# KiCad board PDNode_Baseboard.kicad_pcb (continued)
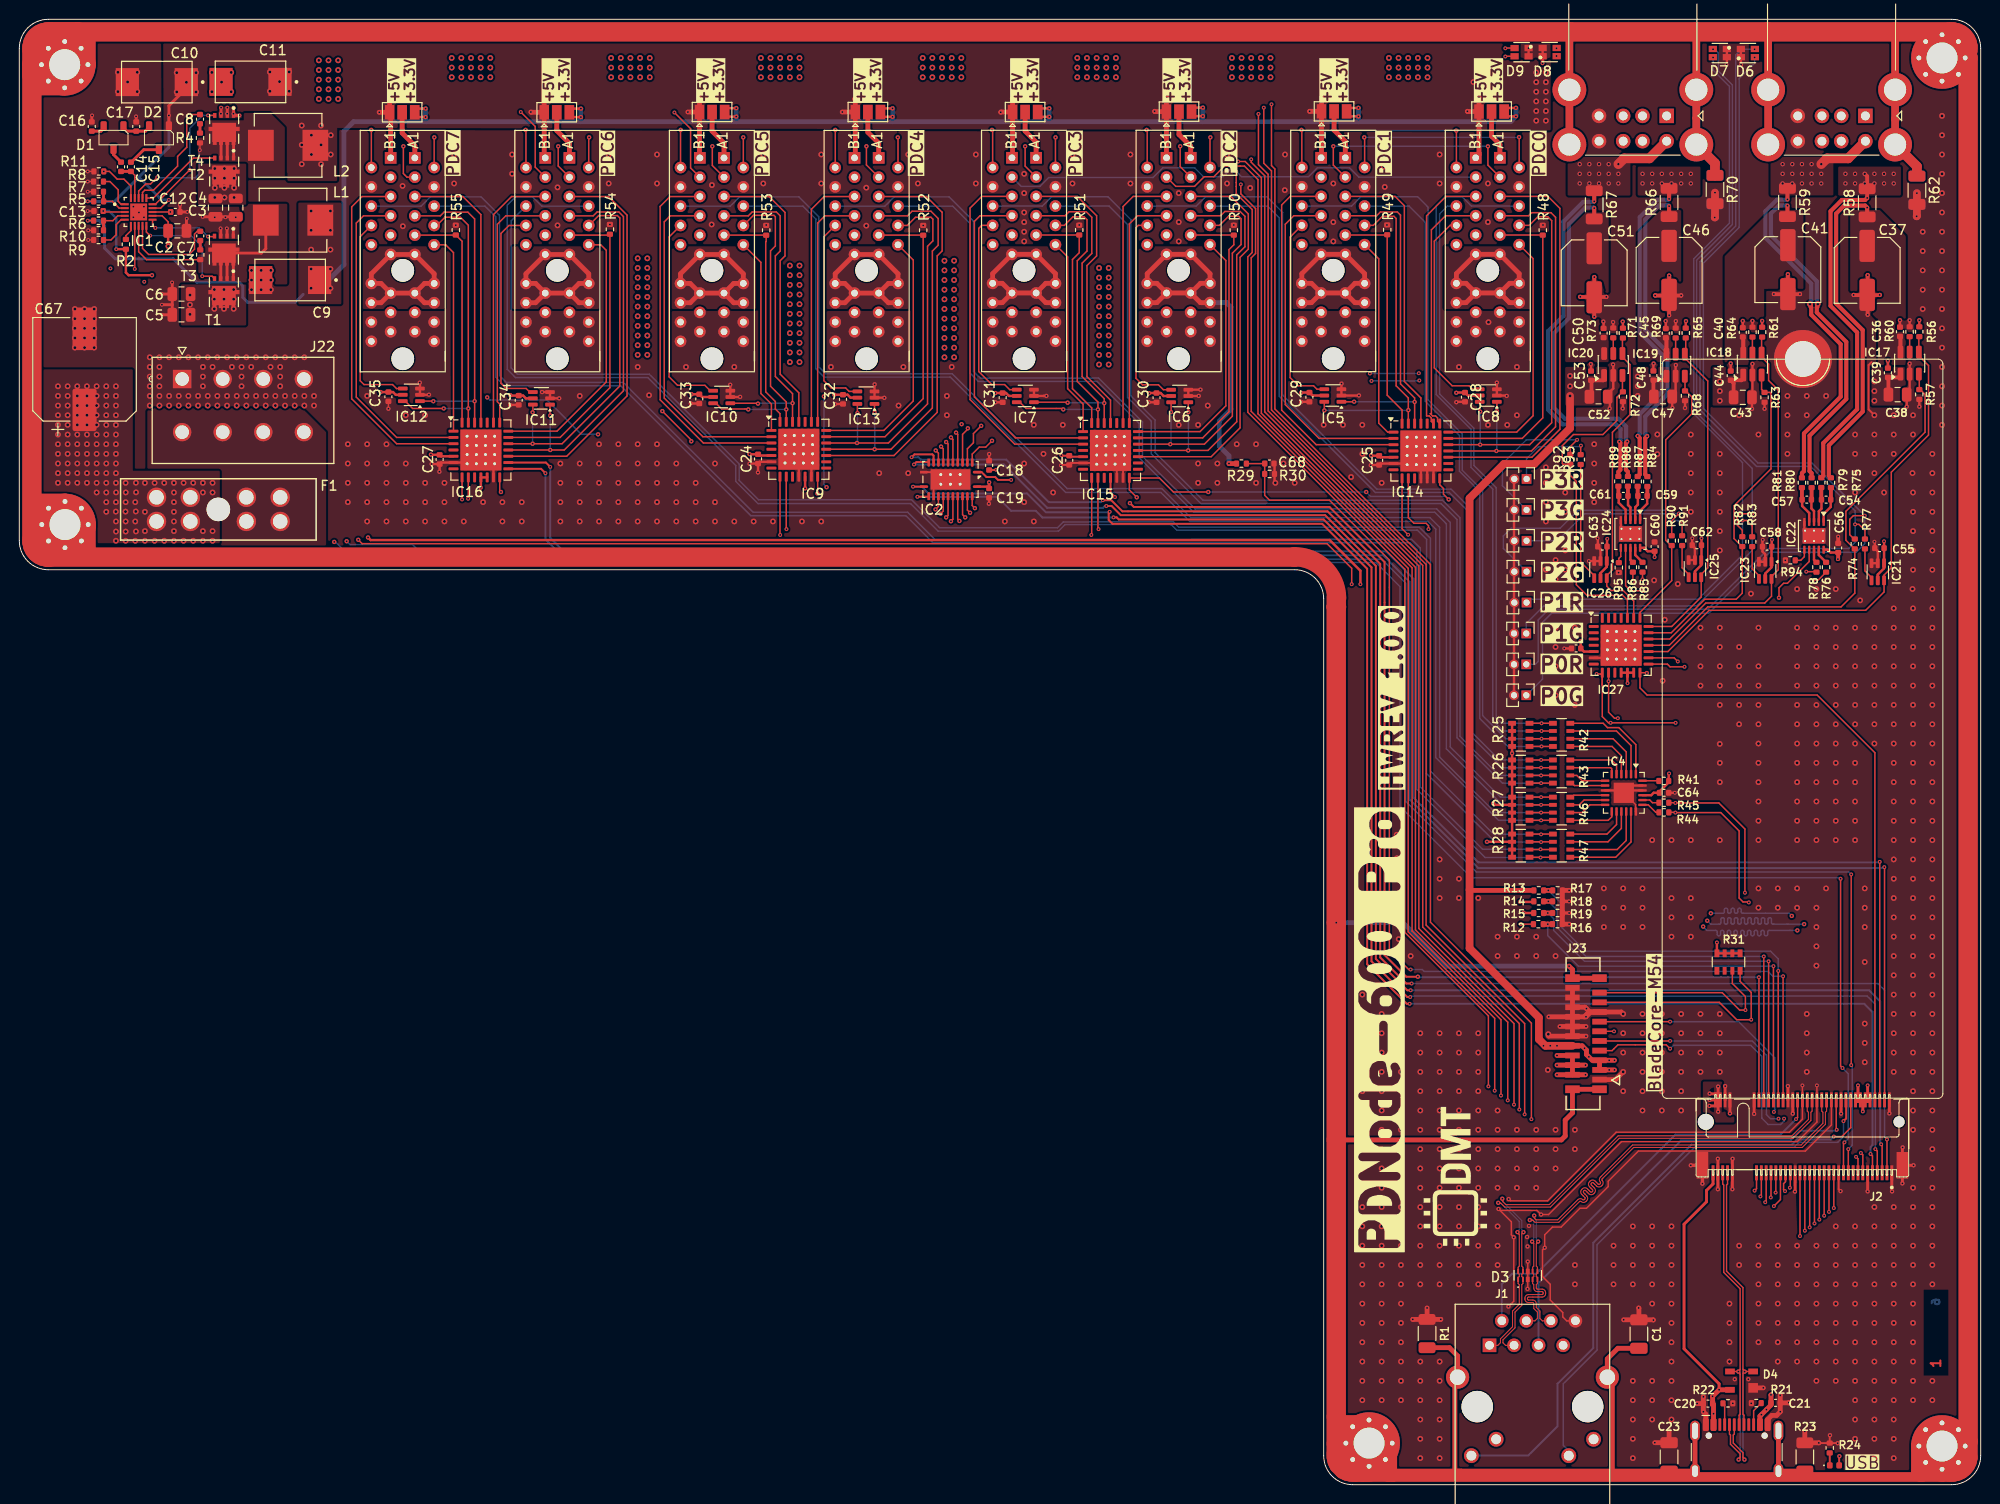
[diagram p0: board, top side]
## Routing (per net, layer and track width the routed paths; a pad name or vN(x,y) marks a point on that pad's centre or on a via; arc(x,y) is an arc through that point) (continued)
/Project Architecture/PDC Signals/MCP_RESET: length 218.3
  F.Cu (SIG) w0.149: v1(82.6,102.65) 82.63,102.68 IC9.14 ; v1(49.85,102.8) 49.72,102.93 IC16.14 ; IC14.14 147.01,103.55 147.4,103.16 147.4,102.57 v1(147.94,102.03) ; J2.8 192.05,75.8 186.08,81.77 168.48,81.77 167.74,82.51 IC27.14 168.41,84.09 v1(168.45,84.05) ; v1(123.05,102.8) 119.45,102.8 118,104.25 114.9,104.25 114.9,104.25 IC15.14 114.89,103.01 v1(115.65,102.25)
  In2.Cu (SIG) w0.149: v1(115.65,102.25) 114.1,103.8 108.75,103.8 107.75,104.8 102.73,104.8 102.15,104.22 102.15,101.75 99.67,99.27 85.63,99.27 82.6,102.3 v1(82.6,102.65) 50,102.65 v1(49.85,102.8) ; v1(168.45,84.05) 168.45,82.8 167.65,82 163.2,82 159.1,86.1 152.25,86.1 151.2,87.15 151.25,87.2 151.25,100.8 150.02,102.03 v1(147.94,102.03)
  B.Cu (SIG) w0.149: v1(147.94,102.03) 147.63,102.34 139.86,102.34 v1(139.4,102.8) v1(123.05,102.8)
/Project Architecture/PDC Signals/PD_IRQ_EVENT_A: length 201.3
  F.Cu (SIG) w0.15: v3(192.55,64.5) J2.6
  F.Cu (SIG) w0.2: v3(54.95,105.4) 54.5,105.85 IC16.16
  B.Cu (SIG) w0.2: v3(192.55,64.5) 192.5,64.45 151,64.45 144.3,71.15 144.3,93.8 141.45,96.65 56.35,96.65 54.95,98.05 v3(54.95,105.4)
/Project Architecture/PDC Signals/PD_IRQ_EVENT_B: length 200.9
  F.Cu (SIG) w0.15: J2.4 193.05,63.92 v3(193.02,63.95)
  F.Cu (SIG) w0.2: IC16.15 54,105.2 v3(54.45,104.75)
  B.Cu (SIG) w0.2: 193,63.95 192.9,63.85 151,63.85 143.9,70.95 143.9,93.5 141.15,96.25 56.1,96.25 54.45,97.9 v3(54.45,104.75)
/Project Architecture/PDCard Connectors 1-4/I2C_SCL_PORT0: length 73.1
  F.Cu (SIG) w0.149: 157.5,78.05 R42.2 ; 157.5,78.05 v3(157.55,78.05) ; 157.5,78.05 R25.3
  B.Cu (SIG) w0.149: v3(157.55,78.05) 153.6,78.05 152.5,79.15 152.5,103.1 150.25,105.35 150.25,109.3 146.65,112.9 146.65,132.45 147.57,133.37 149.33,133.37 150.29,132.41 J4.A6
/Project Architecture/PDCard Connectors 1-4/I2C_SCL_PORT1: length 70.7
  F.Cu (SIG) w0.149: R42.4 v3(157.55,76.45) R25.1
  B.Cu (SIG) w0.149: v3(157.55,76.45) 154.05,76.45 151.15,79.35 151.15,102.85 149.05,104.95 149.05,108.65 145.5,112.2 145.5,130.75 143.84,132.41 J5.A6
/Project Architecture/PDCard Connectors 1-4/I2C_SCL_PORT2: length 85.1
  F.Cu (SIG) w0.149: R43.2 v3(157.5,74.25) R26.3
  B.Cu (SIG) w0.149: J6.A6 129.19,132.41 130.4,131.2 130.4,112.7 140.35,102.75 148,102.75 149.95,100.8 149.95,77.8 153.5,74.25 v3(157.5,74.25)
/Project Architecture/PDCard Connectors 1-4/I2C_SCL_PORT3: length 103.2
  F.Cu (SIG) w0.149: R43.4 v3(157.5,72.65) R26.1
  B.Cu (SIG) w0.149: v3(157.5,72.65) 153.5,72.65 148.8,77.35 148.8,99.95 147.15,101.6 122.3,101.6 117.15,106.75 117.15,110.15 114.7,112.6 114.7,130.5 112.79,132.41 J7.A6
/Project Architecture/PDCard Connectors 1-4/I2C_SDA_PORT0: length 64
  F.Cu (SIG) w0.149: R25.4 v3(157.55,78.85) R42.1
  B.Cu (SIG) w0.149: v3(157.55,78.85) 153.4,78.85 152.85,79.4 152.85,103.25 150.55,105.55 150.55,109.4 147,112.95 147,131.6 147.81,132.41 J4.B6
/Project Architecture/PDCard Connectors 1-4/I2C_SDA_PORT1: length 78.4
  F.Cu (SIG) w0.149: R25.2 v3(157.55,77.25) R42.3
  B.Cu (SIG) w0.149: J5.B6 137.88,132.41 138.84,133.37 144.73,133.37 145.8,132.3 145.8,112.35 149.35,108.8 149.35,105.05 151.45,102.95 151.45,79.65 153.85,77.25 v3(157.55,77.25)
/Project Architecture/PDCard Connectors 1-4/I2C_SDA_PORT2: length 92.3
  F.Cu (SIG) w0.149: R43.1 v3(157.5,75.05) R26.4
  B.Cu (SIG) w0.149: J6.B6 121.81,132.41 122.77,133.37 129.13,133.37 130.75,131.75 130.75,112.85 140.5,103.1 148.18,103.1 150.25,101.03 150.25,78 153.2,75.05 v3(157.5,75.05)
/Project Architecture/PDCard Connectors 1-4/I2C_SDA_PORT3: length 110.3
  F.Cu (SIG) w0.149: R26.2 v3(157.5,73.45) R43.3
  B.Cu (SIG) w0.149: J7.B6 105.88,132.41 106.84,133.37 112.68,133.37 115.05,131 115.05,112.75 117.55,110.25 117.55,106.9 122.5,101.95 147.3,101.95 149.1,100.15 149.1,77.5 153.15,73.45 v3(157.5,73.45)
/Project Architecture/PDCard Connectors 1-4/SPI_CLK: length 326
  F.Cu (SIG) w0.149: J11.A3 40.13,135.4 39.75,135.78 v1(39.75,138.6) ; v1(55.78,138.6) 55.78,136.56 J10.A3 ; J6.A3 120.15,136.5 v1(120.15,138.6) ; J8.A3 87.68,136.67 v1(87.68,138.6) ; v1(152,138.6) 152,136.65 J4.A3 ; J2.45 182.8,31.38 182.6,31.18 182.6,30.55 v3(182.75,30.4) ; v1(104.1,138.6) 104.1,136.55 J7.A3 ; J9.A3 71.73,136.61 v1(71.73,138.6) ; v1(136,138.6) 136,136.65 J5.A3 ; J23.9 v3(170.85,45.95)
  In2.Cu (SIG) w0.149: v1(39.75,138.6) v1(55.78,138.6) v1(71.73,138.6) v1(87.68,138.6) v1(104.1,138.6) v1(120.15,138.6) v1(136,138.6) 140.55,138.6 142.15,137 142.15,102.1 143.88,100.38 147.73,100.38 149.52,98.58 149.52,85.42 152.2,82.75 160.1,82.75 162.27,80.58 163.82,80.58 164.18,80.22 171.48,80.22 173.98,77.72 173.98,58.1 v1(174.27,57.8) ; v3(182.75,30.4) 182.6,30.55 182.6,31.32 182.07,31.85 182.07,48.7 184.02,50.65 v1(184.02,57.4)
  B.Cu (SIG) w0.149: v1(174.27,57.8) 174.27,57.78 174.65,57.4 175.59,57.4 arc(175.69,57.36) 175.73,57.26 175.73,56.99 arc(175.77,56.89) 175.87,56.85 175.94,56.85 arc(176.03,56.89) 176.08,56.99 176.08,57.26 arc(176.12,57.36) 176.21,57.4 176.28,57.4 arc(176.38,57.36) 176.42,57.26 176.42,56.99 arc(176.46,56.89) 176.56,56.85 176.63,56.85 arc(176.73,56.89) 176.77,56.99 176.77,57.26 arc(176.81,57.36) 176.91,57.4 176.98,57.4 arc(177.08,57.36) 177.12,57.26 177.12,56.99 arc(177.16,56.89) 177.26,56.85 177.33,56.85 arc(177.43,56.89) 177.47,56.99 177.47,57.26 arc(177.51,57.36) 177.61,57.4 177.68,57.4 arc(177.78,57.36) 177.82,57.26 177.82,56.99 arc(177.86,56.89) 177.96,56.85 178.03,56.85 arc(178.13,56.89) 178.17,56.99 178.17,57.26 arc(178.21,57.36) 178.31,57.4 178.38,57.4 arc(178.47,57.36) 178.52,57.26 178.52,56.99 arc(178.56,56.89) 178.66,56.85 178.72,56.85 arc(178.82,56.89) 178.86,56.99 178.86,57.26 arc(178.91,57.36) 179,57.4 179.07,57.4 arc(179.17,57.36) 179.21,57.26 179.21,56.99 arc(179.25,56.89) 179.35,56.85 179.42,56.85 arc(179.52,56.89) 179.56,56.99 179.56,57.26 arc(179.6,57.36) 179.7,57.4 179.77,57.4 arc(179.87,57.36) 179.91,57.26 179.91,56.99 arc(179.95,56.89) 180.05,56.85 180.12,56.85 arc(180.22,56.89) 180.26,56.99 180.26,57.26 arc(180.3,57.36) 180.4,57.4 180.47,57.4 arc(180.57,57.36) 180.61,57.26 180.61,56.99 arc(180.65,56.89) 180.75,56.85 180.82,56.85 arc(180.92,56.89) 180.96,56.99 180.96,57.26 arc(181,57.36) 181.1,57.4 v1(184.02,57.4) ; v1(136,138.6) v1(152,138.6) ; v3(182.07,37.9) 181.25,37.9 180.82,38.33 180.82,44.48 179.35,45.95 v3(170.85,45.95)
/Project Architecture/PDCard Connectors 1-4/SPI_CS_PORT0: length 177
  F.Cu (SIG) w0.149: v3(152.05,41.25) 152.05,48.55 143.4,57.2 143.4,94.8 127.15,111.05 127.15,127.15 127.6,127.6 127.6,132.05 125.95,133.7 125.95,134.45 125.95,134.45 125.95,134.85 125.95,134.85 v3(125.95,136) ; J2.25 v3(187.8,28.65)
  In2.Cu (SIG) w0.149: v3(187.8,28.65) 187.68,28.77 182.72,28.77 181.95,28 176.1,28 162.82,41.28 152.08,41.28 v3(152.05,41.25)
  B.Cu (SIG) w0.149: v3(125.95,136) 126.5,135.45 133.42,135.45 134.34,136.37 137.68,136.37 138.64,135.41 J4.B3
/Project Architecture/PDCard Connectors 1-4/SPI_CS_PORT1: length 158.2
  F.Cu (SIG) w0.149: v3(152.7,40.8) 152.7,48.3 143.75,57.25 143.75,94.9 127.5,111.15 127.5,127.05 127.95,127.5 127.95,132.15 126.42,133.68 v3(126.42,134.65) ; J2.27 v3(187.3,28.25)
  In2.Cu (SIG) w0.149: J5.B3 127.18,135.41 v3(126.42,134.65) ; v3(187.3,28.25) 187.15,28.4 182.85,28.4 182.1,27.65 175.9,27.65 162.75,40.8 v3(152.7,40.8)
/Project Architecture/PDCard Connectors 1-4/SPI_CS_PORT2: length 160.2
  F.Cu (SIG) w0.149: v3(186.8,27.85) J2.29 ; v3(153.35,40.3) 153.35,48.15 144.15,57.35 144.15,94.95 128.2,110.9 128.2,135.15 126.8,136.55 126.35,136.55 126.35,136.55 125.95,136.55 125.95,136.55 124.73,136.55 123.63,135.45 122.63,135.45 121.63,134.45 119.7,134.45 J6.B3
  In2.Cu (SIG) w0.149: v3(186.8,27.85) 186.65,28 182.95,28 182.25,27.3 175.65,27.3 162.65,40.3 v3(153.35,40.3)
/Project Architecture/PDCard Connectors 1-4/SPI_CS_PORT3: length 177.7
  F.Cu (SIG) w0.149: v3(186.3,27.45) J2.31 ; v3(126.15,137.02) 126.88,137.02 128.55,135.35 128.55,110.95 144.5,95 144.5,57.45 154.05,47.9 v3(154.05,39.8)
  In2.Cu (SIG) w0.149: v3(186.3,27.45) 186.1,27.65 183.15,27.65 182.45,26.95 175.35,26.95 162.47,39.83 154.08,39.83 v3(154.05,39.8)
  B.Cu (SIG) w0.149: J7.B3 103.7,134.45 105.63,134.45 106.55,135.37 117.34,135.37 118.34,136.37 121.63,136.37 122.55,135.45 124.58,135.45 v3(126.15,137.02)
/Project Architecture/PDCard Connectors 1-4/SPI_MISO: length 326.8
  F.Cu (SIG) w0.149: J4.B2 148.74,140.21 v1(148.73,140.22) ; J7.B2 100.74,140.24 v1(100.68,140.3) ; J6.B2 116.74,140.24 v1(116.68,140.3) ; v1(68.45,140.3) 68.43,140.28 J9.B2 ; J5.B2 132.74,140.26 v1(132.7,140.3) ; v1(36.43,140.3) 36.43,140.29 J11.B2 ; v1(84.45,140.3) 84.45,136.4 J8.B2 ; J10.B2 52.43,140.27 v1(52.4,140.3) ; J23.13 v3(170.85,47.95) ; v3(181.77,30.25) 181.8,30.28 J2.49
  In2.Cu (SIG) w0.149: v1(175.07,59.17) 174.75,59.5 174.75,78.08 171.88,80.95 164.5,80.95 164.15,81.3 162.6,81.3 160.43,83.47 152.57,83.47 150.3,85.75 150.3,99 148.1,101.2 144.3,101.2 143,102.5 143,137.93 140.62,140.3 v1(132.7,140.3) v1(116.68,140.3) v1(100.68,140.3) v1(84.45,140.3) v1(68.45,140.3) v1(52.4,140.3) v1(36.43,140.3) ; 148.65,140.3 v1(148.73,140.22) ; v1(183.45,58.9) 183.52,58.83 183.52,50.57 181.6,48.65 181.6,30.42 v3(181.77,30.25)
  B.Cu (SIG) w0.149: v1(183.45,58.9) 183.18,59.17 178.35,59.17 arc(178.25,59.22) 178.21,59.31 178.21,59.55 arc(178.17,59.65) 178.07,59.69 178,59.69 arc(177.9,59.65) 177.86,59.55 177.86,59.31 arc(177.82,59.22) 177.72,59.17 177.65,59.17 arc(177.55,59.22) 177.51,59.31 177.51,59.55 arc(177.47,59.65) 177.37,59.69 177.3,59.69 arc(177.21,59.65) 177.16,59.55 177.16,59.31 arc(177.12,59.22) 177.03,59.17 176.96,59.17 arc(176.86,59.22) 176.82,59.31 176.82,59.55 arc(176.78,59.65) 176.68,59.69 176.61,59.69 arc(176.51,59.65) 176.47,59.55 176.47,59.31 arc(176.43,59.22) 176.33,59.17 v1(175.07,59.17) ; v1(148.73,140.22) 132.77,140.22 v1(132.7,140.3) ; v3(170.85,47.95) 177.95,47.95 181.7,44.2 181.7,38.85 181.6,38.75 v3(181.6,38.6)
/Project Architecture/PDCard Connectors 1-4/SPI_MOSI: length 322.2
  F.Cu (SIG) w0.149: v1(58.97,139.53) 58.93,139.48 J10.A2 ; v3(170.85,45.15) 170.45,45.55 165.45,45.55 164.85,44.95 J23.7 ; J4.A2 155.24,139.54 v1(155.23,139.55) ; J9.A2 74.93,139.52 v1(74.93,139.53) ; v1(139.2,139.53) 139.24,139.49 J5.A2 ; J8.A2 90.94,139.51 v1(90.93,139.53) ; v3(183.25,30.75) 183.3,30.8 J2.43 ; J6.A2 123.24,139.49 v1(123.27,139.53) ; v1(42.95,139.53) 42.93,139.51 J11.A2 ; J7.A2 107.24,139.51 v1(107.25,139.53)
  In2.Cu (SIG) w0.149: v1(174.7,58.4) 174.35,58.75 174.35,77.88 171.65,80.58 164.35,80.58 163.98,80.95 162.45,80.95 160.3,83.1 152.4,83.1 149.95,85.55 149.95,98.7 147.88,100.78 144.05,100.78 142.57,102.25 142.57,137.53 140.57,139.53 v1(139.2,139.53) v1(123.27,139.53) v1(107.25,139.53) v1(90.93,139.53) v1(74.93,139.53) v1(58.97,139.53) v1(42.95,139.53) ; v1(184.73,58.05) 184.73,52.43 184.38,52.07 184.38,50.53 182.65,48.8 182.65,41.58 182.55,41.48 182.55,41.07 182.65,40.97 182.65,36.95 183.25,36.35 v3(183.25,30.75) ; 155.2,139.53 v1(155.23,139.55)
  B.Cu (SIG) w0.149: v1(139.2,139.53) 155.2,139.53 v1(155.23,139.55) ; v3(182.65,37.9) 182.65,37.65 182.3,37.3 181,37.3 180.35,37.95 180.35,44.35 179.2,45.5 171.2,45.5 v3(170.85,45.15) ; v1(174.7,58.4) 175.05,58.05 175.98,58.05 arc(176.07,58.09) 176.12,58.19 176.12,58.57 arc(176.16,58.67) 176.25,58.71 176.32,58.71 arc(176.42,58.67) 176.46,58.57 176.46,58.19 arc(176.5,58.09) 176.6,58.05 176.67,58.05 arc(176.77,58.09) 176.81,58.19 176.81,58.57 arc(176.85,58.67) 176.95,58.71 177.02,58.71 arc(177.12,58.67) 177.16,58.57 177.16,58.19 arc(177.2,58.09) 177.3,58.05 177.37,58.05 arc(177.47,58.09) 177.51,58.19 177.51,58.57 arc(177.55,58.67) 177.65,58.71 177.72,58.71 arc(177.82,58.67) 177.86,58.57 177.86,58.19 arc(177.9,58.09) 178,58.05 178.07,58.05 arc(178.17,58.09) 178.21,58.19 178.21,58.57 arc(178.25,58.67) 178.35,58.71 178.42,58.71 arc(178.51,58.67) 178.56,58.57 178.56,58.19 arc(178.6,58.09) 178.69,58.05 178.76,58.05 arc(178.86,58.09) 178.9,58.19 178.9,58.57 arc(178.94,58.67) 179.04,58.71 179.11,58.71 arc(179.21,58.67) 179.25,58.57 179.25,58.19 arc(179.29,58.09) 179.39,58.05 179.46,58.05 arc(179.56,58.09) 179.6,58.19 179.6,58.57 arc(179.64,58.67) 179.74,58.71 179.81,58.71 arc(179.91,58.67) 179.95,58.57 179.95,58.19 arc(179.99,58.09) 180.09,58.05 180.16,58.05 arc(180.26,58.09) 180.3,58.19 180.3,58.57 arc(180.34,58.67) 180.44,58.71 180.51,58.71 arc(180.61,58.67) 180.65,58.57 180.65,58.19 arc(180.69,58.09) 180.79,58.05 180.86,58.05 arc(180.95,58.09) 181,58.19 181,58.57 arc(181.04,58.67) 181.13,58.71 181.2,58.71 arc(181.3,58.67) 181.34,58.57 181.34,58.19 arc(181.38,58.09) 181.48,58.05 v1(184.73,58.05)
/Project Architecture/PDCard Connectors 5-8/I2C_SCL_PORT4: length 119.5
  F.Cu (SIG) w0.149: R46.2 v3(157.5,70.4) R27.3
  B.Cu (SIG) w0.149: v3(157.5,70.4) 153.5,70.4 147.7,76.2 147.7,99.5 146.5,100.7 121.55,100.7 115.9,106.35 115.9,109.9 111.55,114.25 99.25,114.25 98.4,115.1 98.4,130.6 96.6,132.4 J8.A6
/Project Architecture/PDCard Connectors 5-8/I2C_SCL_PORT5: length 134.3
  F.Cu (SIG) w0.149: R46.4 v3(157.5,68.8) R27.1
  B.Cu (SIG) w0.149: J9.A6 81.1,132.4 82.45,131.05 82.45,115.55 83.3,114.7 96.35,114.7 108.3,102.75 118.15,102.75 121.15,99.75 145.8,99.75 146.6,98.95 146.6,75.3 153.1,68.8 v3(157.5,68.8)
/Project Architecture/PDCard Connectors 5-8/I2C_SCL_PORT6: length 171.6
  F.Cu (SIG) w0.149: R47.2 157.52,66.58 v3(157.5,66.55) 157.48,66.58 R28.3
  B.Cu (SIG) w0.149: J10.A6 54.08,132.4 53.12,133.36 51.36,133.36 50.5,132.5 50.5,115.5 51.35,114.65 65.05,114.65 74.15,105.55 74.15,103.9 76.45,101.6 92.25,101.6 95.1,98.75 107.55,98.75 108.23,99.43 119.22,99.43 119.8,98.85 144.7,98.85 145.65,97.9 145.65,73.65 152.75,66.55 v3(157.5,66.55)
/Project Architecture/PDCard Connectors 5-8/I2C_SCL_PORT7: length 169.2
  F.Cu (SIG) w0.149: R28.1 157.43,64.97 v3(157.45,64.95) 157.48,64.97 R47.4
  B.Cu (SIG) w0.149: J11.A6 48.2,132.4 49.3,131.3 49.3,114.7 50.2,113.8 62.25,113.8 75.7,100.35 91.75,100.35 94.55,97.55 143.95,97.55 144.65,96.85 144.65,72 151.7,64.95 v3(157.45,64.95)
/Project Architecture/PDCard Connectors 5-8/I2C_SDA_PORT4: length 126.4
  F.Cu (SIG) w0.149: R46.1 v3(157.5,71.2) R27.4
  B.Cu (SIG) w0.149: J8.B6 89.59,132.4 90.55,133.36 96.24,133.36 98.75,130.85 98.75,115.3 99.45,114.6 111.7,114.6 116.25,110.05 116.25,106.5 121.7,101.05 146.7,101.05 148.1,99.65 148.1,76.4 153.3,71.2 v3(157.5,71.2)
/Project Architecture/PDCard Connectors 5-8/I2C_SDA_PORT5: length 141.3
  F.Cu (SIG) w0.149: R27.2 v3(157.5,69.6) R46.3
  B.Cu (SIG) w0.149: v3(157.5,69.6) 152.75,69.6 147,75.35 147,99.15 146,100.15 121.25,100.15 118.25,103.15 108.45,103.15 96.55,115.05 83.45,115.05 82.75,115.75 82.75,131.3 80.69,133.36 74.54,133.36 73.58,132.4 J9.B6
/Project Architecture/PDCard Connectors 5-8/I2C_SDA_PORT6: length 162
  F.Cu (SIG) w0.149: R47.1 157.52,67.38 v3(157.5,67.35) 157.48,67.38 R28.4
  B.Cu (SIG) w0.149: J10.B6 50.9,130.86 50.9,115.65 51.55,115 65.2,115 74.5,105.7 74.5,104 76.5,102 92.35,102 95.25,99.1 107.45,99.1 108.05,99.7 119.45,99.7 120,99.15 144.9,99.15 146.05,98 146.05,73.9 152.6,67.35 v3(157.5,67.35)
/Project Architecture/PDCard Connectors 5-8/I2C_SDA_PORT7: length 176.1
  F.Cu (SIG) w0.149: R47.3 157.48,65.78 v3(157.45,65.8) 157.43,65.78 R28.2
  B.Cu (SIG) w0.149: J11.B6 41.58,132.4 42.54,133.36 47.79,133.36 49.7,131.45 49.7,114.85 50.4,114.15 62.5,114.15 75.95,100.7 91.95,100.7 94.78,97.87 121.32,97.87 121.35,97.9 144.1,97.9 145,97 145,72.25 151.45,65.8 v3(157.45,65.8)
/Project Architecture/PDCard Connectors 5-8/SPI_CS_PORT4: length 195.3
  F.Cu (SIG) w0.149: v3(154.7,39.35) 154.7,47.75 144.85,57.6 144.85,95.15 128.9,111.1 128.9,135.55 127.5,136.95 v3(127.5,137.25) ; v3(185.8,27.05) J2.33
  In2.Cu (SIG) w0.149: v3(185.8,27.05) 185.6,27.25 183.25,27.25 182.6,26.6 175.15,26.6 162.4,39.35 v3(154.7,39.35) ; v3(127.5,137.25) 126.73,136.48 124.66,136.48 123.63,135.45 122.63,135.45 121.63,134.45 118.13,134.45 117.19,135.4 106.58,135.4 105.63,134.45 102.05,134.45 101.13,135.37 90.33,135.37 89.34,136.36 87.4,136.36 J8.B3
/Project Architecture/PDCard Connectors 5-8/SPI_CS_PORT5: length 225.1
  F.Cu (SIG) w0.149: v3(67.8,142.1) 69.48,140.42 69.48,136.36 J9.B3 ; J2.35 v3(185.3,26.65) ; v3(128.25,141.95) 128.25,136.7 129.25,135.7 129.25,111.2 145.25,95.2 145.25,57.75 155.25,47.75 v3(155.25,38.85)
  In2.Cu (SIG) w0.149: v3(155.25,38.85) 162.3,38.85 174.9,26.25 182.75,26.25 183.4,26.9 185.05,26.9 v3(185.3,26.65) ; v3(128.25,141.95) 127.08,143.12 103.06,143.12 102.96,143.03 86.68,143.03 86.31,142.65 85.91,143.05 70.81,143.05 70.41,142.65 68.35,142.65 v3(67.8,142.1)
/Project Architecture/PDCard Connectors 5-8/SPI_CS_PORT6: length 242.4
  F.Cu (SIG) w0.149: v3(51.9,142.15) 53.39,140.66 53.39,136.44 J10.B3 ; v3(128.8,142.6) 128.8,136.85 129.6,136.05 129.6,111.3 145.6,95.3 145.6,57.95 155.8,47.75 v3(155.8,38.35) ; v3(184.8,26.3) J2.37
  In2.Cu (SIG) w0.149: v3(184.8,26.3) 184.75,26.25 183.25,26.25 182.9,25.9 174.65,25.9 162.22,38.33 155.98,38.33 155.95,38.35 v3(155.8,38.35) ; v3(51.9,142.15) 51.9,142.95 53.08,144.13 124.62,144.13 125.25,143.5 127.9,143.5 v3(128.8,142.6)
/Project Architecture/PDCard Connectors 5-8/SPI_CS_PORT7: length 258.9
  F.Cu (SIG) w0.149: v3(129.6,142.95) 129.6,136.6 129.95,136.25 129.95,111.4 146.05,95.3 146.05,58.25 156.5,47.8 v3(156.5,37.85) ; J2.39 v3(184.3,25.75)
  In2.Cu (SIG) w0.149: v3(156.5,37.85) 162.15,37.85 174.45,25.55 184.1,25.55 v3(184.3,25.75)
  In2.Cu (SIG) w0.2: J11.B3 37.45,136.38 37.45,138.53 35.9,140.08 35.9,142.2 38.15,144.45 125,144.45 125.5,143.95 128.6,143.95 v3(129.6,142.95)
/Project Architecture/System Power/ADC_3V3A: length 41.5
  F.Cu (SIG) w0.15: v3(180.55,54.7) J2.54
  F.Cu (SIG) w0.5: R14.2 157.77,60.41 R18.1
  B.Cu (SIG) w0.149: v3(158.25,60.41) 159.15,59.51 159.15,57.7 162.15,54.7 v3(180.55,54.7)
/Project Architecture/System Power/ADC_3V3SW: length 40.9
  F.Cu (SIG) w0.15: v3(181.05,54.2) J2.52
  F.Cu (SIG) w0.5: R15.2 158.69,59.2 R19.1
  B.Cu (SIG) w0.15: v3(181.05,54.2) 162,54.2 158.8,57.4 158.8,58.6 v3(158.2,59.2)
/Project Architecture/System Power/ADC_5VA: length 40.7
  F.Cu (SIG) w0.15: v3(181.55,53.7) J2.50
  F.Cu (SIG) w0.5: 158.15,58.05 158.68,58.05 R16.1 ; 158.15,58.05 158.2,58.05 v3(158.2,58.05) ; 158.15,58.05 R12.2
  B.Cu (SIG) w0.15: v3(158.2,58.05) 158.2,56.85 161.35,53.7 v3(181.55,53.7)
/Project Architecture/System Power/ADC_5VSW: length 43.7
  F.Cu (SIG) w0.15: v3(182.05,53.2) J2.48
  F.Cu (SIG) w0.5: R13.2 R17.1
  B.Cu (SIG) w0.15: v3(158.25,61.54) 159.65,60.14 159.65,57.7 162.1,55.25 181.25,55.25 182.05,54.45 v3(182.05,53.2)
/Project Architecture/System Power/CS_R1: length 3.9
  F.Cu (SIG) w0.15: R8.1 9.38,134.95 10.23,134.1 10.23,132.9 10.53,132.6 IC1.1
/Project Architecture/System Power/CS_R2: length 3.7
  F.Cu (SIG) w0.15: R9.1 9.48,128.9 10.03,129.45 10.03,130.5 10.53,131 IC1.5
/Project Architecture/System Power/DRVH1: length 8.8
  F.Cu (SIG) w0.15: IC1.16 13.87,133.24 18.01,137.38 T2.2
/Project Architecture/System Power/DRVH2: length 11.5
  F.Cu (SIG) w0.15: IC1.10 13.15,129.73 v3(13.53,129.35) ; v3(18.93,125.15) 19.95,125.15 T1.2
  B.Cu (SIG) w0.15: v3(18.93,125.15) 18.93,128.2 17.78,129.35 v3(13.53,129.35)
/Project Architecture/System Power/DRVL1: length 12.8
  F.Cu (SIG) w0.15: v3(17.63,136.15) 14.08,132.6 IC1.15 ; v3(19.53,141.8) T4.2
  B.Cu (SIG) w0.15: v3(17.63,136.15) 17.63,140.45 18.98,141.8 v3(19.53,141.8)
/Project Architecture/System Power/DRVL2: length 7.5
  F.Cu (SIG) w0.15: v3(19.53,129.25) 20.15,129.25 T3.2 ; v3(14.08,130.15) 13.79,130.44 IC1.11
  B.Cu (SIG) w0.15: v3(19.53,129.25) 18.63,130.15 v3(14.08,130.15)
/Project Architecture/System Power/PGOOD: length 265.5
  F.Cu (SIG) w0.149: v3(189.6,43.45) v3(189.6,63.2) ; v3(189.3,34.75) J2.19 ; v3(11.95,125.9) IC1.7
  In2.Cu (SIG) w0.149: v1(33.88,97.7) 32,99.58 32,116.5 29.75,118.75 13.75,118.75 11.95,120.55 v3(11.95,125.9)
  B.Cu (SIG) w0.149: v1(33.88,97.7) 34.23,97.35 40.7,97.35 42.2,95.85 141,95.85 143.5,93.35 143.5,70.75 150.8,63.45 189.35,63.45 v3(189.6,63.2) ; v3(189.3,34.75) 189.7,35.15 189.7,43.35 v3(189.6,43.45)
/Project Architecture/System Power/SW1: length 19.7
  F.Cu (SIG) w0.15: IC1.18 12.35,133.97 13.08,134.7 13.58,134.7 v3(14.28,135.4) ; v3(18.68,138.2) 18.7,138.22 R4.2
  F.Cu (SIG) w0.3: T4.3 21.53,139.71 T2.1 ; T4.3 22.18,139.06 22.18,137.38 ; T4.3 20.88,139.71 T2.1
  B.Cu (SIG) w0.15: v3(14.28,135.4) 14.33,135.35 18.23,135.35 18.63,135.75 18.63,138.15 v3(18.68,138.2)
/Project Architecture/System Power/SW2: length 25.5
  F.Cu (SIG) w0.15: IC1.8 12.35,127.68 13.17,126.86 R3.2
  F.Cu (SIG) w0.3: T1.1 20.85,127.21 T3.3 ; T3.3 22.15,126.56 T1.1 ; T3.3 21.5,127.21 T1.1 ; T3.3 25.05,127.54 25.51,128 L1.1
/Project Architecture/System Power/VCLK: length 3.9
  F.Cu (SIG) w0.15: IC1.19 11.95,135.6 C15.1
  F.Cu (SIG) w0.3: C14.1 C15.1
/Project Architecture/System Power/VFB_3V3: length 3.4
  F.Cu (SIG) w0.15: R6.2 9.68,130.9 10.18,131.4 IC1.4
  F.Cu (SIG) w0.3: R10.1 R6.2
/Project Architecture/System Power/VFB_5: length 3.5
  F.Cu (SIG) w0.15: IC1.2 10.33,132.2 9.63,132.9 R5.2
  F.Cu (SIG) w0.3: R5.2 8.71,132.91 R7.1
/Project Architecture/TCA9548 Port Controller/RESET: length 1.7
  F.Cu (SIG) w0.149: IC4.24 169.67,72.9 R41.2
/Project Architecture/TCA9548 Port Controller/TCA_SCL: length 2
  F.Cu (SIG) w0.149: IC4.19 168.6,70.4 169.38,69.62 R45.1
/Project Architecture/TCA9548 Port Controller/TCA_SDA: length 1.8
  F.Cu (SIG) w0.149: R44.2 169.02,70.62 168.75,70.9 IC4.20
/Project Architecture/USB Interface and Display/USB_IND: length 1.3
  F.Cu (SIG) w0.2: D5.1 187.38,3.28 R24.2
/Project Architecture/USB-A Current Measurement/PAC_ALERT_P01: length 70
  F.Cu (SIG) w0.149: J2.13 190.8,34.15 v3(190.6,34.35) ; IC22.7 185.25,95.6 183,93.35 182.6,93.35 182.12,92.88 v1(182.12,91.85)
  In2.Cu (SIG) w0.149: v1(182.12,91.85) 182.12,85.2 181.65,84.72 181.65,66.1 187.23,60.53 187.23,41.25 190.6,37.88 v3(190.6,34.35)
/Project Architecture/USB-A Current Measurement/PAC_ALERT_P23: length 78.7
  F.Cu (SIG) w0.149: v1(168.07,92.58) 166.77,92.58 166.25,93.1 IC24.7 ; J2.15 190.3,33.75 v3(190.1,33.95)
  In2.Cu (SIG) w0.149: v3(190.1,33.95) 190.1,37.78 186.82,41.05 186.82,60.23 181.32,65.73 181.32,84.85 173.6,92.58 v1(168.07,92.58)
/Project Architecture/USB-A Current Measurement/PAC_SCL: length 1.6
  F.Cu (SIG) w0.25: R76.1 186.25,96.27 IC22.9
/Project Architecture/USB-A Current Measurement/PAC_SCL2: length 1.8
  F.Cu (SIG) w0.25: IC24.9 167.25,96.27 R85.1
/Project Architecture/USB-A Current Measurement/PAC_SDA: length 1.4
  F.Cu (SIG) w0.25: R78.2 185.75,95.77 IC22.8
/Project Architecture/USB-A Current Measurement/PAC_SDA2: length 1.6
  F.Cu (SIG) w0.25: IC24.8 166.75,95.77 R86.2
/Project Architecture/USB-A Current Measurement/PD_IRQ_EVENT_A2: length 63.2
  F.Cu (SIG) w0.149: J2.57 179.8,30.65 v3(179.6,30.45) ; v3(171.65,85.25) 171.27,85.62 IC27.16
  In2.Cu (SIG) w0.149: v3(171.65,85.25) 171.65,82.45 177.65,76.45 177.65,37.3 179.6,35.35 v3(179.6,30.45)
/Project Architecture/USB-A Current Measurement/PD_IRQ_EVENT_B2: length 64.4
  F.Cu (SIG) w0.149: IC27.15 170.57,84.97 170.85,84.7 v3(172.35,84.7) ; J2.55 180.3,29.95 v3(180.2,29.85)
  In2.Cu (SIG) w0.149: v3(180.2,29.85) 180.2,35.35 178.05,37.5 178.05,76.7 172.35,82.4 v3(172.35,84.7)
/Project Architecture/USB-A Outputs/FAULT_PORTA0: length 55.7
  F.Cu (SIG) w0.149: IC27.17 170.62,86.28 174.9,90.55 191.1,90.55 193,92.45 IC21.6 193,94.2 193.75,94.95 193.75,104.85 197.6,108.7 197.6,115.9 196.6,116.9 IC17.4 196.6,118.84 R56.2
/Project Architecture/USB-A Outputs/FAULT_PORTA1: length 42.4
  F.Cu (SIG) w0.149: IC27.19 170.82,87.58 174.55,91.3 180.65,91.3 181.35,92 IC23.6 181.35,94.05 182.05,94.75 182.05,113.35 181.05,114.35 181.05,116.05 180.32,116.78 IC18.4 180.32,118.79 R61.2
/Project Architecture/USB-A Outputs/FAULT_PORTA2: length 34.8
  F.Cu (SIG) w0.149: IC27.21 171.02,88.88 174.07,91.92 IC25.6 174.07,94.28 174.75,94.95 174.75,114.3 172.38,116.67 IC19.4 172.47,117.16 R65.2
/Project Architecture/USB-A Outputs/FAULT_PORTA3: length 32.2
  F.Cu (SIG) w0.149: IC27.23 167.09,91.51 166,92.6 164.75,92.6 164.3,93.05 IC26.6 164.3,94.15 164.89,94.74 164.89,108.99 166.7,110.8 166.7,116 165.92,116.78 IC20.4 165.92,118.7 R71.2
/Project Architecture/USB-A Outputs/ILIM_EN_PORTA0: length 50.4
  F.Cu (SIG) w0.149: IC17.3 196.65,114.96 R57.1 196.74,113.41 197.24,112.91 197.24,108.99 189.05,100.8 189.05,97.8 189.8,97.05 189.83,97.05 R74.1 189.97,92.32 188.55,90.9 174.75,90.9 170.77,86.92 IC27.18
/Project Architecture/USB-A Outputs/ILIM_EN_PORTA1: length 36.7
  F.Cu (SIG) w0.149: IC18.3 180.32,113.42 R63.1 181.19,113.11 181.3,113 181.3,105.2 177.48,101.38 177.48,97.97 178.3,97.15 R82.1 178.32,92.33 177.7,91.7 174.45,91.7 170.98,88.22 IC27.20
/Project Architecture/USB-A Outputs/ILIM_EN_PORTA2: length 28.2
  F.Cu (SIG) w0.149: IC27.22 167.74,90.34 171.02,93.62 R90.1 170.95,97.25 170.4,97.8 170.4,108.2 173.1,110.9 173.1,112.65 172.48,113.27 R68.1 172.4,114.77 IC19.3
/Project Architecture/USB-A Outputs/ILIM_EN_PORTA3: length 34.9
  F.Cu (SIG) w0.149: IC27.24 166.44,91.61 165.95,92.1 162.25,92.1 161.15,93.2 161.15,103.9 160.52,104.53 R92.1 159.77,105.67 159.7,105.75 159.7,107.6 160.85,108.75 163.9,108.75 165.35,110.2 165.35,112.6 165.93,113.18 R72.1 165.92,113.23 IC20.3